# Altium PCB SensorGroupB.PcbDoc
Units mm, origin at the board's own origin, x right, y up, seen from the top; angles counter-clockwise.
Board outline 99.5 x 79 mm, 2 copper layers (Top Layer, Bottom Layer); 24 components, 13 nets, 80 pads, 11 vias.
Unrouted connection lines stored in the file: 4.
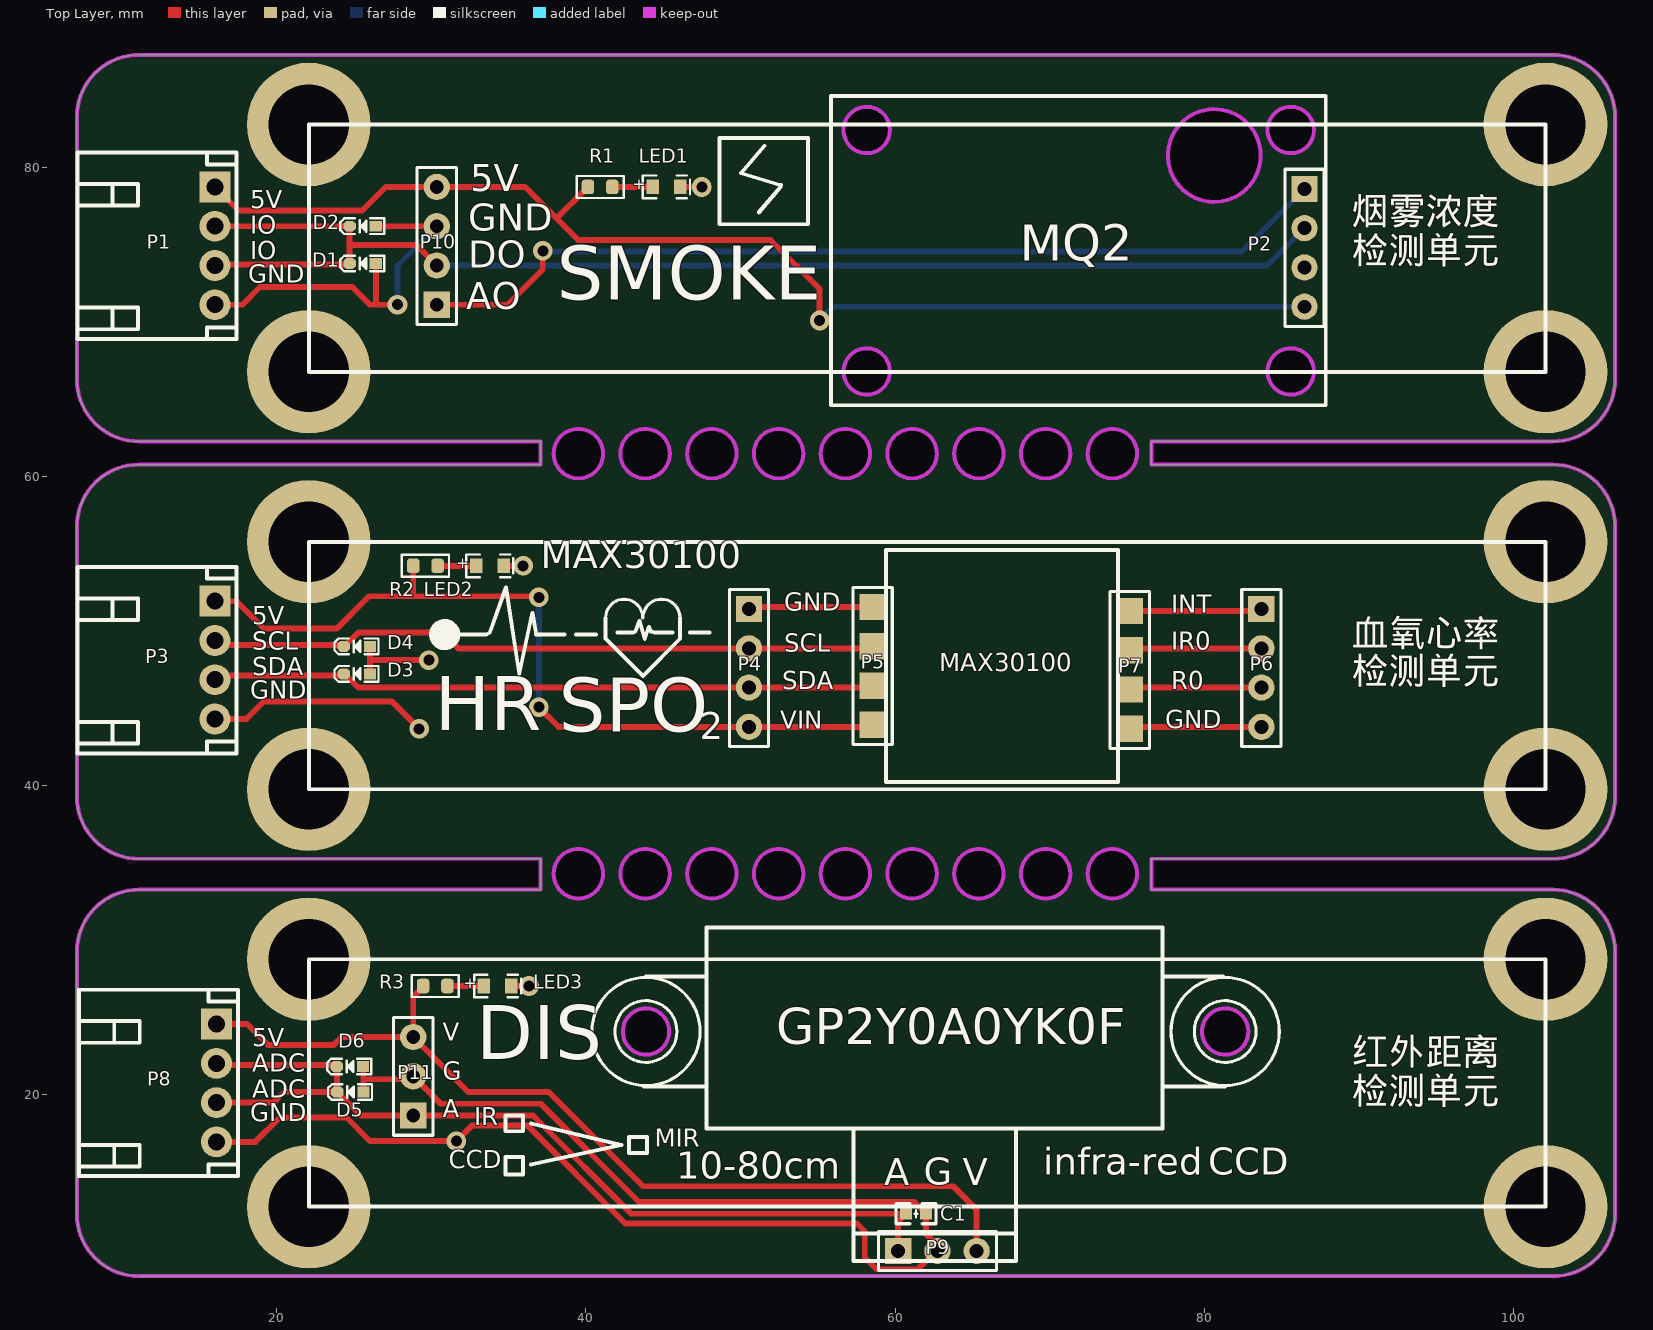
[diagram p0: Top Layer view]
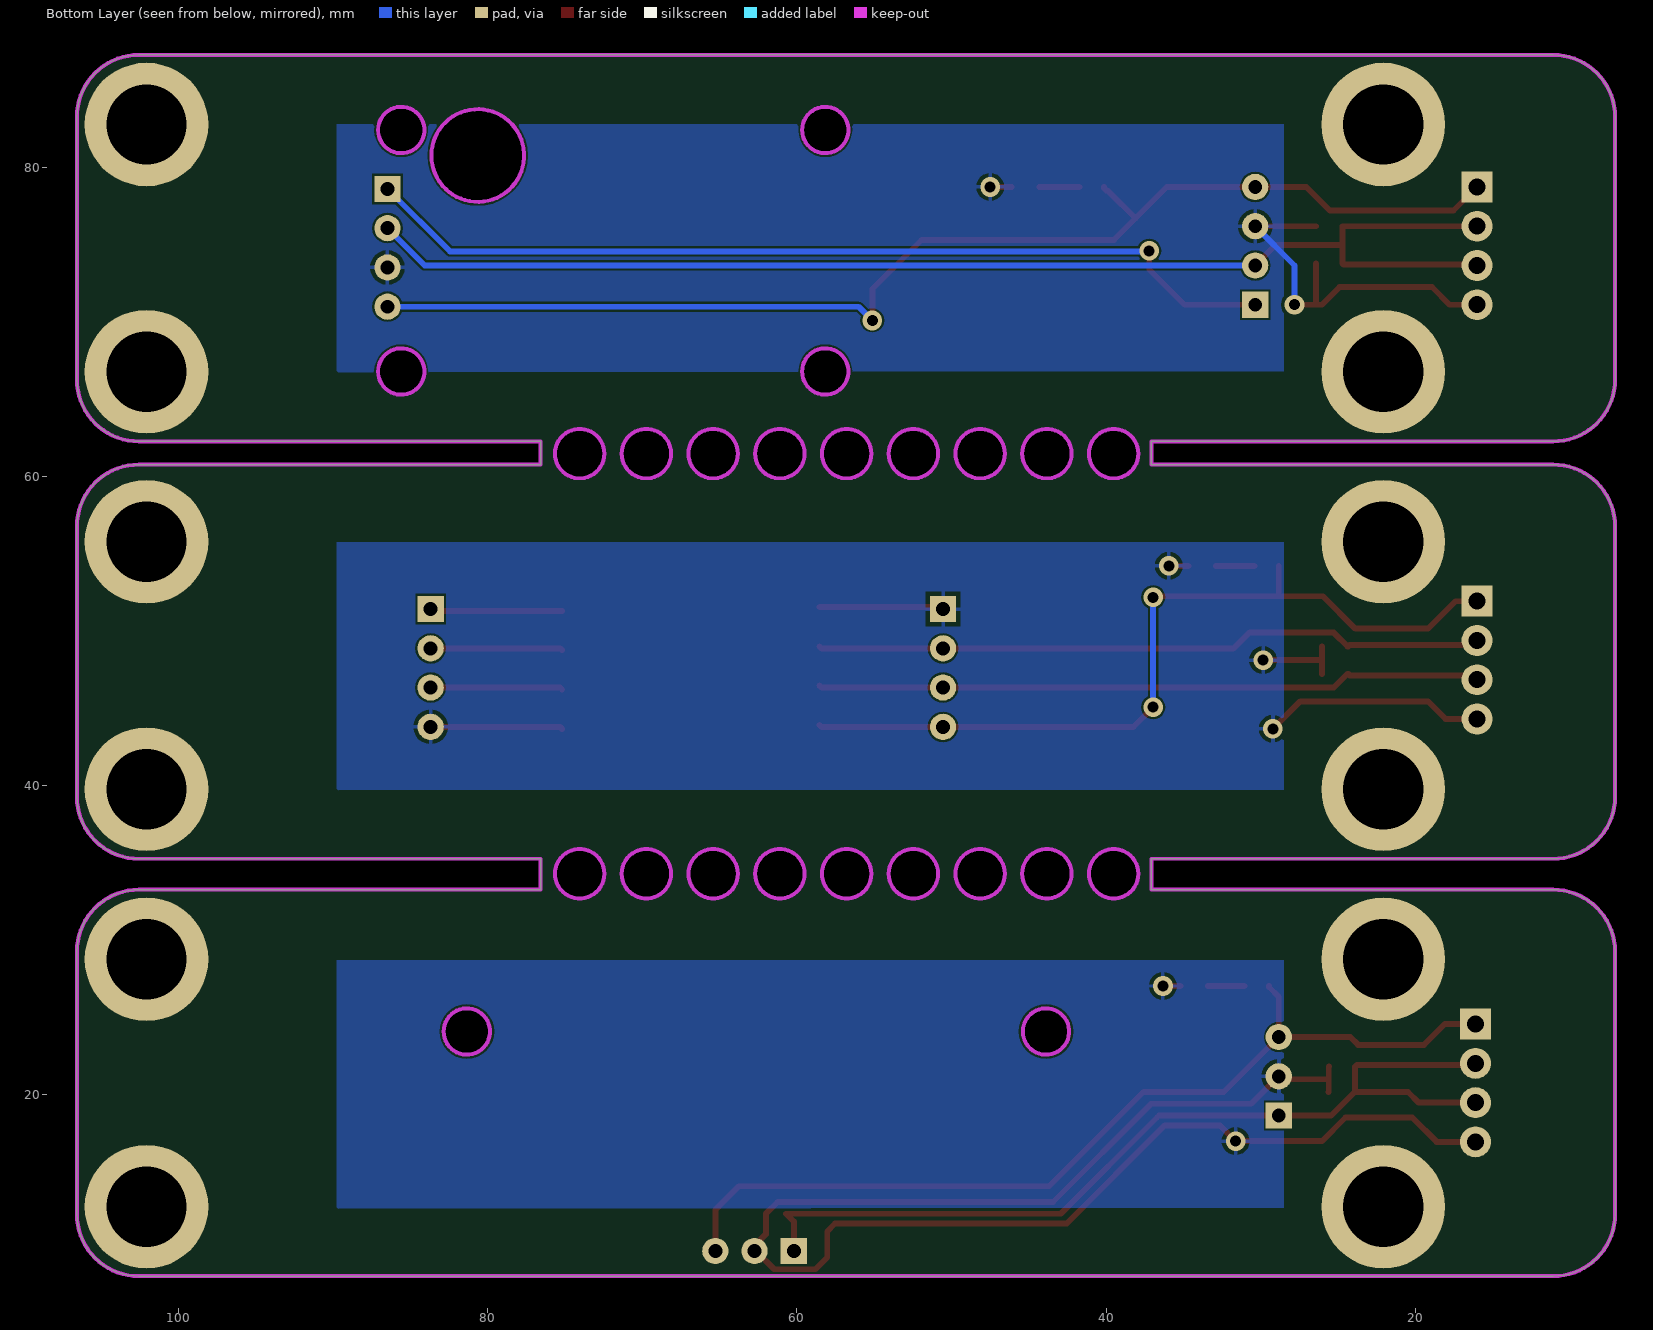
[diagram p1: Bottom Layer view, seen from below]

## Layer stack, top to bottom
Top Solder: solder mask 0.0102, Solder Resist, Dk 3.5
Top Layer: signal copper 0.0356
Dielectric 1: dielectric 0.32, FR-4, Dk 4.8
Bottom Layer: signal copper 0.0356
Bottom Solder: solder mask 0.0102, Solder Resist, Dk 3.5

## Board outline
11.074,8.28 cw(c11.074,12.28) 7.074,12.28 7.074,29.28 cw(c11.074,29.28) 11.074,33.28 37.074,33.28 37.074,35.28 11.074,35.28 cw(c11.074,39.28) 7.074,39.28 7.074,56.78 cw(c11.074,56.78) 11.074,60.78 37.074,60.78 37.074,62.28 11.074,62.28 cw(c11.074,66.28) 7.074,66.28 7.074,83.28 cw(c11.074,83.28) 11.074,87.28 102.574,87.28 cw(c102.574,83.28) 106.574,83.28 106.574,66.28 cw(c102.574,66.28) 102.574,62.28 76.574,62.28 76.574,60.78 102.574,60.78 cw(c102.574,56.78) 106.574,56.78 106.574,39.28 cw(c102.574,39.28) 102.574,35.28 76.574,35.28 76.574,33.28 102.574,33.28 cw(c102.574,29.28) 106.574,29.28 106.574,13.28 106.574,12.28 cw(c102.574,12.28) 102.574,8.28
cut-out: 42.386,24.107 ccw(c43.886,24.107) 43.886,22.607 ccw(c43.886,24.107) 45.386,24.107 ccw(c43.886,24.107) 43.886,25.607 ccw(c43.886,24.107)
cut-out: 79.851,24.107 ccw(c81.351,24.107) 81.351,22.607 ccw(c81.351,24.107) 82.851,24.107 ccw(c81.351,24.107) 81.351,25.607 ccw(c81.351,24.107)
cut-out: 80.645,77.772 cw(c80.645,80.772) 77.645,80.772 cw(c80.645,80.772) 80.645,83.772 cw(c80.645,80.772) 83.645,80.772 cw(c80.645,80.772)
cut-out: 84.098,66.802 ccw(c85.598,66.802) 85.598,65.302 ccw(c85.598,66.802) 87.098,66.802 ccw(c85.598,66.802) 85.598,68.302 ccw(c85.598,66.802)
cut-out: 84.098,82.423 ccw(c85.598,82.423) 85.598,80.923 ccw(c85.598,82.423) 87.098,82.423 ccw(c85.598,82.423) 85.598,83.923 ccw(c85.598,82.423)
cut-out: 58.166,80.923 cw(c58.166,82.423) 56.666,82.423 cw(c58.166,82.423) 58.166,83.923 cw(c58.166,82.423) 59.666,82.423 cw(c58.166,82.423)
cut-out: 58.166,65.302 cw(c58.166,66.802) 56.666,66.802 cw(c58.166,66.802) 58.166,68.302 cw(c58.166,66.802) 59.666,66.802 cw(c58.166,66.802)
cut-out: 39.509,32.704 cw(c39.509,34.304) 37.909,34.304 cw(c39.509,34.304) 39.509,35.904 cw(c39.509,34.304) 41.109,34.304 cw(c39.509,34.304)
cut-out: 43.827,32.704 cw(c43.827,34.304) 42.227,34.304 cw(c43.827,34.304) 43.827,35.904 cw(c43.827,34.304) 45.427,34.304 cw(c43.827,34.304)
cut-out: 48.145,32.704 cw(c48.145,34.304) 46.545,34.304 cw(c48.145,34.304) 48.145,35.904 cw(c48.145,34.304) 49.745,34.304 cw(c48.145,34.304)
cut-out: 52.463,32.704 cw(c52.463,34.304) 50.863,34.304 cw(c52.463,34.304) 52.463,35.904 cw(c52.463,34.304) 54.063,34.304 cw(c52.463,34.304)
cut-out: 56.781,32.704 cw(c56.781,34.304) 55.181,34.304 cw(c56.781,34.304) 56.781,35.904 cw(c56.781,34.304) 58.381,34.304 cw(c56.781,34.304)
cut-out: 61.099,32.704 cw(c61.099,34.304) 59.499,34.304 cw(c61.099,34.304) 61.099,35.904 cw(c61.099,34.304) 62.699,34.304 cw(c61.099,34.304)
cut-out: 65.417,32.704 cw(c65.417,34.304) 63.817,34.304 cw(c65.417,34.304) 65.417,35.904 cw(c65.417,34.304) 67.017,34.304 cw(c65.417,34.304)
cut-out: 69.735,32.704 cw(c69.735,34.304) 68.135,34.304 cw(c69.735,34.304) 69.735,35.904 cw(c69.735,34.304) 71.335,34.304 cw(c69.735,34.304)
cut-out: 72.453,34.304 ccw(c74.053,34.304) 74.053,32.704 ccw(c74.053,34.304) 75.653,34.304 ccw(c74.053,34.304) 74.053,35.904 ccw(c74.053,34.304)
cut-out: 72.454,61.49 ccw(c74.054,61.49) 74.054,59.89 ccw(c74.054,61.49) 75.654,61.49 ccw(c74.054,61.49) 74.054,63.09 ccw(c74.054,61.49)
cut-out: 69.736,59.89 cw(c69.736,61.49) 68.136,61.49 cw(c69.736,61.49) 69.736,63.09 cw(c69.736,61.49) 71.336,61.49 cw(c69.736,61.49)
cut-out: 65.418,59.89 cw(c65.418,61.49) 63.818,61.49 cw(c65.418,61.49) 65.418,63.09 cw(c65.418,61.49) 67.018,61.49 cw(c65.418,61.49)
cut-out: 61.1,59.89 cw(c61.1,61.49) 59.5,61.49 cw(c61.1,61.49) 61.1,63.09 cw(c61.1,61.49) 62.7,61.49 cw(c61.1,61.49)
cut-out: 56.782,59.89 cw(c56.782,61.49) 55.182,61.49 cw(c56.782,61.49) 56.782,63.09 cw(c56.782,61.49) 58.382,61.49 cw(c56.782,61.49)
cut-out: 52.464,59.89 cw(c52.464,61.49) 50.864,61.49 cw(c52.464,61.49) 52.464,63.09 cw(c52.464,61.49) 54.064,61.49 cw(c52.464,61.49)
cut-out: 48.146,59.89 cw(c48.146,61.49) 46.546,61.49 cw(c48.146,61.49) 48.146,63.09 cw(c48.146,61.49) 49.746,61.49 cw(c48.146,61.49)
cut-out: 43.828,59.89 cw(c43.828,61.49) 42.228,61.49 cw(c43.828,61.49) 43.828,63.09 cw(c43.828,61.49) 45.428,61.49 cw(c43.828,61.49)
cut-out: 39.51,59.89 cw(c39.51,61.49) 37.91,61.49 cw(c39.51,61.49) 39.51,63.09 cw(c39.51,61.49) 41.11,61.49 cw(c39.51,61.49)

## Design rules (kind name [scope] priority, off if disabled: settings)
Clearance [All] p1: gap=0.127 ignorepadtopadclearanceinfootprint=FALSE except(0: Arc-Hole Track-Hole SMDPad-Hole THPad-Hole Via-Hole Fill-Hole Poly-Hole Region-Hole Text-Hole)
PolygonConnect [All] p1: connectstyle=Relief reliefconductorwidth=0.254 reliefentries=4 polygonreliefangle="90 Angle" airgapwidth=0.254
RoutingVias [All] p1: holewidth=0.3 width=0.6 viastyle="Through Hole" minholewidth=0.3 minwidth=0.6 maxholewidth=200 maxwidth=100
SolderMaskExpansion [All] p1: expansion=0.102 istentingtop=FALSE
Width [All] p1: maxlimit=10 minlimit=0.127 preferedwidth=0.254
30 further rules are at their usual default settings.

## Components (designator, comment, footprint, x,y, rotation, side; value= is the part's Value field where it differs from the comment)
C1 "CAP" "C 0603_L" 61.356,12.319 r180 top value=100nF
D1 "TVS" SOD-523 25.566,73.787 r180 top
D2 "TVS" SOD-523 25.566,76.2 r180 top
D3 "TVS" SOD-523 25.185,47.244 r180 top
D4 "TVS" SOD-523 25.185,49.022 r180 top
D5 "TVS" SOD-523 24.765,20.193 r180 top
D6 "TVS" SOD-523 24.726,21.844 r180 top
LED1 "LED3" 0603-led 44.323,78.74 r0 top
LED2 "LED3" 0603-led 32.893,54.229 r0 top
LED3 "LED3" 0603-led 33.401,27.051 r0 top
P1 "ADC_IN4" KF2EDGK-2.54-WI-4P 16.002,74.93 r270 top
P2 "Header 4" HDR2.54-LI-4P#1 86.487,74.803 r270 top
P3 "IIC1" KF2EDGK-2.54-WI-4P 16.002,48.133 r270 top
P4 "Header 4" HDR2.54-LI-4P#1 50.546,47.625 r270 top
P5 "Header 4" HDR2.54-LI-4P#2 58.547,47.752 r90 top
P6 "Header 4" HDR2.54-LI-4P#1 83.693,47.625 r270 top
P7 "Header 4" HDR2.54-LI-4P#2 75.184,47.498 r90 top
P8 "ADC_IN4" KF2EDGK-2.54-WI-4P 16.104,20.777 r270 top
P9 "Header 3" HDR2.54-LI-3P 62.738,9.906 r0 top
P10 "Header 4" HDR2.54-LI-4P#1 30.353,74.93 r90 top
P11 "Header 3" HDR2.54-LI-3P 28.829,21.209 r90 top
R1 "10K" 0603 41.81,78.74 r180 top
R2 "10K" 0603 30.507,54.229 r180 top
R3 "10K" 0603 31.142,27.051 r180 top

## Footprints (in the part's own frame and the unit in brackets; to place one, negate y for a bottom-side part, rotate by r counter-clockwise, add the part's x,y. Pads: shape width x height; smd on the part's side, far side on the other; paste and mask are expansions set on the pad)
0603 [mil]
  rrect50% 32x37 smd: 1(3.94,0) 2(66.06,0)
  silkscreen extent -25,-28 95,28, body extent 4,-16 67,16, height 18
0603-led [mil]
  rect 32x37 smd: 1(0,0) 2(70,0)
  silkscreen extent -25,-29 95,29, body extent 2,-18 68,18, height 35
"C 0603_L" [mil] "无极性贴片电容"
  rect 30x30 smd: 1(-25.59,0) 2(25.59,0)
  silkscreen extent -51,-26 51,26, body extent -31,-16 31,16, height 32
HDR2.54-LI-3P [mm] "排针，3脚"
  rect 1.7x1.7 hole 0.9: 1(-2.54,0)
  round 1.7 hole 0.9: 2(0,0) 3(2.54,0)
  silkscreen extent -3.81,-1.27 3.81,1.27, body extent -3.81,-1.27 3.81,1.27, height 8.5
HDR2.54-LI-4P#1 [mm] "排针，4脚"
  rect 1.7x1.7 hole 0.9: 1(-3.81,0)
  round 1.7 hole 0.9: 2(-1.27,0) 3(1.27,0) 4(3.81,0)
  silkscreen extent -5.08,-1.27 5.08,1.27, body extent -5.08,-1.27 5.08,1.27, height 8.5
HDR2.54-LI-4P#2 [mm] "排针，4脚"
  rect 1.7x1.7 smd: 1(-3.81,0) 2(-1.27,0) 3(1.27,0) 4(3.81,0)
  silkscreen extent -5.08,-1.27 5.08,1.27
KF2EDGK-2.54-WI-4P [mm] "长：12.06mm，宽：10.1mm，高：8.1mm"
  rect 2x2 hole 1.1: 1(-3.81,0)
  round 2 hole 1.1: 2(-1.27,0) 3(1.27,0) 4(3.81,0)
  silkscreen extent -6.03,-8.9 6.03,1.39, body extent -6.03,-8.9 6.03,1.2, height 8.15
SOD-523 [mm] "1.2x0.8X0.6mm（长宽高，不包括引脚）"
  rect 0.8x0.7 smd: 1(-0.85,0)
  oct 0.8x0.7 smd: 2(0.85,0)
  silkscreen extent -1.4,-0.51 1.45,0.51, body extent -0.8,-0.4 0.8,0.4, height 0.65

## Part data
D1 D2 D3 D4 D5 D6: library part D, "High Conductance Fast Diode", Code_JEDEC=DO-204-AH, ComponentLink1Description="Manufacturer Link", ComponentLink1URL=http://www.fairchildsemi.com/, ComponentLink2Description=Datasheet, ComponentLink2URL=http://www.fairchildsemi.com/ds/1N%2F1N4148.pdf, DatasheetVersion=1997, LatestRevisionDate=17-Jul-2002, LatestRevisionNote="Re-released for DXP Platform.", PackageDescription="Diode, Axial; Body 3.8 x 1.9 mm (LxDia. max), Lead Dia. 0.53 mm (max)", PackageReference=DO-35, Published=8-Jun-2000, Publisher="Altium Limited"
LED1 LED2 LED3: library part CP_DIOLED, "DIODE LED"
P1 P3 P8: library part "Header 4", "Header, 4-Pin", LatestRevisionDate=17-Jul-2002, LatestRevisionNote="Re-released for DXP Platform.", Publisher="Altium Limited"
P2 P4 P5 P6 P7 P10: "Header, 4-Pin", LatestRevisionDate=17-Jul-2002, LatestRevisionNote="Re-released for DXP Platform.", Publisher="Altium Limited"
P9 P11: "Header, 3-Pin", LatestRevisionDate=17-Jul-2002, LatestRevisionNote="Re-released for DXP Platform.", Publisher="Altium Limited"
R1 R2 R3: library part RES2

## Free pads (board coordinates)
  round 8 hole 5.2: 0(22.074,12.78) 0(22.074,28.78) 0(22.074,39.78) 0(22.074,55.78) 0(22.074,66.78) 0(22.074,82.78) 0(102.074,12.78) 0(102.074,28.78) 0(102.074,39.78) 0(102.074,55.78) 0(102.074,66.78) 0(102.074,82.78)

## Via types
v1: diameter 1.27, hole 0.711, Top Layer to Bottom Layer, tented both sides, 11 vias

## Nets (pads, with @x,y where several pads share a name; then routed paths per layer and width w, separated by ;. In a path a pad name is that pad's centre, name@x,y a point inside that pad or via, vN(x,y) a via of type N, cw(c..) or ccw(c..) an arc to the next point about the centre after c; other vN are vias at no path point)
AO: P2.1 P10.1 | length 60
  Top Layer w0.381: P10.1 34.925,71.12 37.211,73.406 v1(37.211,74.612)
  Bottom Layer w0.381: v1(37.211,74.612) 37.253,74.571 82.445,74.571 P2.1
DO: D1.2 D2.2 P1.2 P1.3 P2.2 P10.2 | length 83.2
  Top Layer w0.381: P1.3 16.065,73.724 24.653,73.724 D1.2 24.716,74.993 ; P1.2 D2.2 24.716,74.993 ; P10.2 29.019,74.993 24.716,74.993
  Bottom Layer w0.381: P10.2 84.074,73.66 P2.2
GND: C1.1 D1.1 D2.1 D3.1 D4.1 D5.1 D6.1 LED1.2 LED2.2 LED3.2 P1.4 P2.3 P3.4 P4.1 P5.4 P6.4 P7.1 P8.4 P9.2 P10.3 P11.2 | length 164.2
  Top Layer w0.381: P3.4 18.034,44.323 19.177,45.466 27.432,45.466 v1(29.21,43.688) ; P1.4 17.78,71.12 18.923,72.263 24.892,72.263 26.035,71.12 26.416,71.12 ; P8.4 18.618,16.967 20.193,18.542 24.511,18.542 26.035,17.018 v1(31.623,17.018) 32.639,18.034 36.195,18.034 42.545,11.684 57.531,11.684 58.039,11.176 58.039,9.487 58.801,8.725 61.468,8.725 62.649,9.906 P9.2 62.738,10.263 62.006,10.995 C1.1 61.244,13.081 43.434,13.081 37.084,19.431 30.607,19.431 P11.2 28.639,21.018 25.596,21.018 ; D6.1 25.596,21.824 25.596,21.018 ; D5.1 25.596,20.212 25.596,21.018 ; D3.1 26.035,48.133 ; D4.1 26.035,48.133 ; D1.1 26.416,71.12 ; D2.1 P10.3 ; v1(27.813,71.12) 26.416,71.12 ; v1(29.845,48.133) 26.035,48.133 ; LED2.2 v1(35.941,54.229) ; LED3.2 v1(36.322,27.051) ; LED1.2 v1(47.498,78.74) ; P4.1 50.673,51.562 P5.4 ; P7.1 75.311,43.815 P6.4
  Bottom Layer w0.381: v1(27.813,71.12) 27.813,73.66 P10.3
I2C1_SCL_B6: D4.2 P3.2 P4.2 P5.3 | length 43.5
  Top Layer w0.381: P3.2 16.287,49.118 24.239,49.118 D4.2 24.385,49.022 25.274,49.911 30.734,49.911 31.75,48.895 P4.2 58.42,48.895 P5.3
I2C1_SDA_B7: D3.2 P3.3 P4.3 P5.2 | length 43.1
  Top Layer w0.381: P3.3 16.287,47.148 24.239,47.148 D3.2 24.385,47.244 25.274,46.355 P4.3 58.42,46.355 P5.2
INT: P6.1 P7.4 | length 8.6
  Top Layer w0.381: P7.4 83.566,51.308 P6.1
IR0: P6.2 P7.3 | length 8.6
  Top Layer w0.381: P7.3 75.311,48.895 P6.2
NetC1_2: C1.2 D5.2 D6.2 P8.2 P8.3 P9.1 P11.1 | length 60.3
  Top Layer w0.381: P8.3 19.781,19.507 20.466,20.193 D5.2 ; P8.2 16.211,21.94 23.78,21.94 D6.2 23.896,21.824 23.896,20.212 D5.2 ; P9.1 60.198,11.811 C1.2 42.926,12.319 36.703,18.542 36.576,18.669 P11.1 25.439,18.669 D5.2
NetLED1_1: LED1.1 R1.1 | length 2.6
  Top Layer w0.381: R1.1 LED1.1
NetLED2_1: LED2.1 R2.1 | length 2.5
  Top Layer w0.381: R2.1 LED2.1
NetLED3_1: LED3.1 R3.1 | length 2.4
  Top Layer w0.381: R3.1 LED3.1
R0: P6.3 P7.2 | length 8.6
  Top Layer w0.381: P7.2 75.311,46.355 P6.3
VIN: P1.1 P2.4 P3.1 P4.4 P5.1 P8.1 P9.3 P10.4 P11.3 R1.2 R2.2 R3.2 | length 194.5
  Top Layer w0.381: P3.1 17.399,51.943 19.177,50.165 23.876,50.165 25.971,52.261 28.829,52.261 36.893,52.261 v1(36.957,52.197) ; P1.1 17.526,77.216 25.527,77.216 27.051,78.74 P10.4 36.068,78.74 38.1,76.708 ; P8.1 18.085,24.587 19.431,23.241 23.698,23.241 24.206,23.749 P11.3 ; 28.765,52.261 28.829,52.324 R2.2 ; R3.2 29.464,26.981 28.829,26.346 P11.3 ; v1(36.957,45.085) 38.227,43.815 P4.4 58.42,43.815 P5.1 ; R1.2 40.132,78.683 39.917,78.468 39.86,78.468 38.1,76.708 ; v1(55.118,70.104) 55.118,72.136 51.943,75.311 39.497,75.311 38.1,76.708 ; P9.3 65.278,12.573 63.754,14.097 43.688,14.097 37.592,20.193 32.385,20.193 P11.3
  Bottom Layer w0.381: v1(36.957,45.085) v1(36.957,52.197) ; v1(55.118,70.104) 56.007,70.993 P2.4

## Polygon pours and split planes (outlines as drawn)
GND on Bottom Layer "NONET_L01_P-001" (solid, pour order 2): 89.768,12.656 89.768,28.702 28.504,28.702 28.504,12.702
GND on Bottom Layer "NONET_L01_P-001" (solid, pour order 0): 89.768,66.758 89.768,82.804 28.504,82.804 28.504,66.804
GND on Bottom Layer "NONET_L01_P-001" (solid, pour order 1): 89.768,39.707 89.768,55.753 28.504,55.753 28.504,39.753

## Keep-outs
Keep-Out Layer:
  circle w0.254: c81.351,24.107 r1.5
  circle w0.254: c43.886,24.107 r1.5
  circle w0.254: c80.645,80.772 r3
  circle w0.254: c58.166,66.802 r1.5
  circle w0.254: c58.166,82.423 r1.5
  circle w0.254: c85.598,82.423 r1.5
  circle w0.254: c85.598,66.802 r1.5
  circle w0.254: c39.51,61.49 r1.6
  circle w0.254: c43.828,61.49 r1.6
  circle w0.254: c48.146,61.49 r1.6
  circle w0.254: c52.464,61.49 r1.6
  circle w0.254: c56.782,61.49 r1.6
  circle w0.254: c61.1,61.49 r1.6
  circle w0.254: c65.418,61.49 r1.6
  circle w0.254: c69.736,61.49 r1.6
  circle w0.254: c74.054,61.49 r1.6
  circle w0.254: c74.054,34.312 r1.6
  circle w0.254: c69.736,34.312 r1.6
  circle w0.254: c65.418,34.312 r1.6
  circle w0.254: c61.1,34.312 r1.6
  circle w0.254: c56.782,34.312 r1.6
  circle w0.254: c52.464,34.312 r1.6
  circle w0.254: c48.146,34.312 r1.6
  circle w0.254: c43.828,34.312 r1.6
  circle w0.254: c39.51,34.312 r1.6
  lines w0.254: 106.574,13.28 106.574,12.28 cw(c102.574,12.28) 102.574,8.28 11.074,8.28 cw(c11.074,12.28) 7.074,12.28 7.074,29.28 cw(c11.074,29.28) 11.074,33.28 37.074,33.28 37.074,35.28 11.074,35.28 cw(c11.074,39.28) 7.074,39.28 7.074,56.78 cw(c11.074,56.78) 11.074,60.78 37.074,60.78 37.074,62.28 11.074,62.28 cw(c11.074,66.28) 7.074,66.28 7.074,83.28 cw(c11.074,83.28) 11.074,87.28 102.574,87.28 cw(c102.574,83.28) 106.574,83.28 ; 106.574,13.28 106.574,29.28 ccw(c102.574,29.28) 102.574,33.28 76.574,33.28 76.574,35.28 102.574,35.28 ccw(c102.574,39.28) 106.574,39.28 106.574,56.78 ; 106.574,13.28 106.574,13.28 ; 106.574,56.78 ccw(c102.574,56.78) 102.574,60.78 76.574,60.78 76.574,62.28 102.574,62.28 ccw(c102.574,66.28) 106.574,66.28 106.574,83.28 ; 106.574,56.78 106.574,56.78 ; 106.574,83.28 106.574,83.28

## Silkscreen, mask and mechanical layers (free items; w line width, h text height)
Top Overlay:
  circle w1: c30.861,49.784 r0.508
  circle w0.2: c81.351,24.107 r3.5
  circle w0.2: c43.886,24.107 r3.5
  circle w0.2: c81.351,24.107 r2
  circle w0.2: c43.886,24.107 r2
  lines w0.2: 41.275,50.872 cw(c42.473,50.872) 43.671,50.872 ; 43.688,50.872 cw(c44.886,50.872) 46.084,50.872
  lines w0.254: 30.861,49.784 33.528,49.784 33.779,49.903 34.827,52.836 35.687,47.244 36.533,51.19 ; 36.449,15.494 42.291,16.764 36.449,18.161 ; 36.541,51.193 36.783,49.776 ; 36.783,49.784 38.608,49.784 ; 39.37,49.784 40.64,49.784 ; 41.275,50.872 41.275,49.53 43.688,47.117 46.084,49.513 46.084,50.872 ; 42.037,49.911 43.053,49.911 43.193,49.971 43.47,50.661 43.807,49.505 44.069,50.292 44.221,49.987 44.45,49.911 45.593,49.911 ; 43.759,20.551 47.696,20.551 ; 43.886,27.663 47.696,27.663 ; 46.736,49.911 48.006,49.911 ; 51.181,77.089 52.578,78.74 ; 51.562,81.407 50.038,79.629 52.613,78.857 ; 57.302,17.78 57.302,9.271 67.817,9.271 67.818,9.272 67.818,17.78 ; 57.404,11.049 67.818,11.049 ; 77.287,20.551 81.351,20.551 ; 77.287,27.663 81.224,27.663 ; 22.074,12.78 22.074,28.78 102.074,28.78 102.074,12.78 22.074,12.78 ; 22.074,39.78 102.074,39.78 102.074,55.78 22.074,55.78 22.074,39.78 ; 22.074,66.78 22.074,82.78 102.074,82.78 102.074,66.78 22.074,66.78 ; 34.798,14.859 34.798,16.002 35.941,16.002 35.941,14.859 34.798,14.859 ; 34.798,17.653 35.941,17.653 35.941,18.669 34.798,18.669 34.798,17.653 ; 42.799,16.256 42.799,17.272 43.942,17.272 43.942,16.256 42.799,16.256 ; 47.787,17.838 77.287,17.838 77.287,30.838 47.787,30.838 47.787,17.838 ; 48.641,76.327 54.356,76.327 54.356,81.915 48.641,81.915 48.641,76.327 ; 55.859,64.618 55.859,84.618 87.859,84.618 87.859,64.618 55.859,64.618 ; 59.422,40.245 74.422,40.245 74.422,55.245 59.422,55.245 59.422,40.245
  text "5V" at 32.512,77.879 h3
  text "5V" at 18.288,76.981 h2
  text "烟雾浓度" at 89.538,75.746 h3
  text "IO" at 18.29,75.33 h2
  text "GND" at 32.388,75.339 h3
  text "IO" at 18.29,73.679 h2
  text "MQ2" at 68.076,73.205 h4
  text "检测单元" at 89.535,73.212 h3
  text "DO" at 32.388,72.926 h3
  text "GND" at 18.163,72.155 h2
  text "SMOKE" at 38.1,70.287 h6
  text "AO" at 32.258,70.259 h3
  text "MAX30100" at 37.087,53.495 h3
  text "GND" at 52.834,50.946 h2
  text "INT" at 77.853,50.8 h2
  text "5V" at 18.415,50.057 h2
  text "血氧心率" at 89.535,48.438 h3
  text "SCL" at 18.415,48.406 h2
  text "IR0" at 77.853,48.406 h2
  text "SCL" at 52.832,48.279 h2
  text "MAX30100" at 62.867,47.009 h2
  text "SDA" at 18.415,46.755 h2
  text "检测单元" at 89.535,46.034 h3
  text "SDA" at 52.705,45.866 h2
  text "R0" at 77.853,45.866 h2
  text "GND" at 18.29,45.231 h2
  text "GND" at 77.472,43.326 h2
  text "VIN" at 52.578,43.307 h2
  text "HR" at 30.232,42.418 h6
  text "2" at 47.374,42.418 h3
  text "SPO" at 38.227,42.347 h6
  text "V" at 30.734,23.114 h2
  text "5V" at 18.415,22.752 h2
  text "GP2Y0A0YK0F" at 52.328,22.516 h4
  text "红外距离" at 89.535,21.385 h3
  text "DIS" at 32.899,21.138 h6
  text "ADC" at 18.415,21.101 h2
  text "G" at 30.736,20.593 h2
  text "ADC" at 18.415,19.45 h2
  text "检测单元" at 89.535,18.856 h3
  text "A" at 30.734,18.161 h2
  text "GND" at 18.29,17.926 h2
  text "IR" at 32.768,17.653 h2
  text "MIR" at 44.452,16.256 h2
  text "CCD" at 31.117,14.878 h2
  text "infra-red" at 69.596,14.252 h3
  text "CCD" at 80.267,14.252 h3
  text "10-80cm" at 45.85,13.998 h3
  text "G" at 61.852,13.617 h3
  text "A" at 59.309,13.589 h3
  text "V" at 64.389,13.589 h3

## Text inside footprints (layer, text, board x,y; h text height)
LED1: Top Overlay "+" at 43.028,78.334 h1.27
LED2: Top Overlay "+" at 31.598,53.823 h1.27
LED3: Top Overlay "+" at 32.106,26.645 h1.27